# KiCad board kintsugi_v2.kicad_pcb (continued)
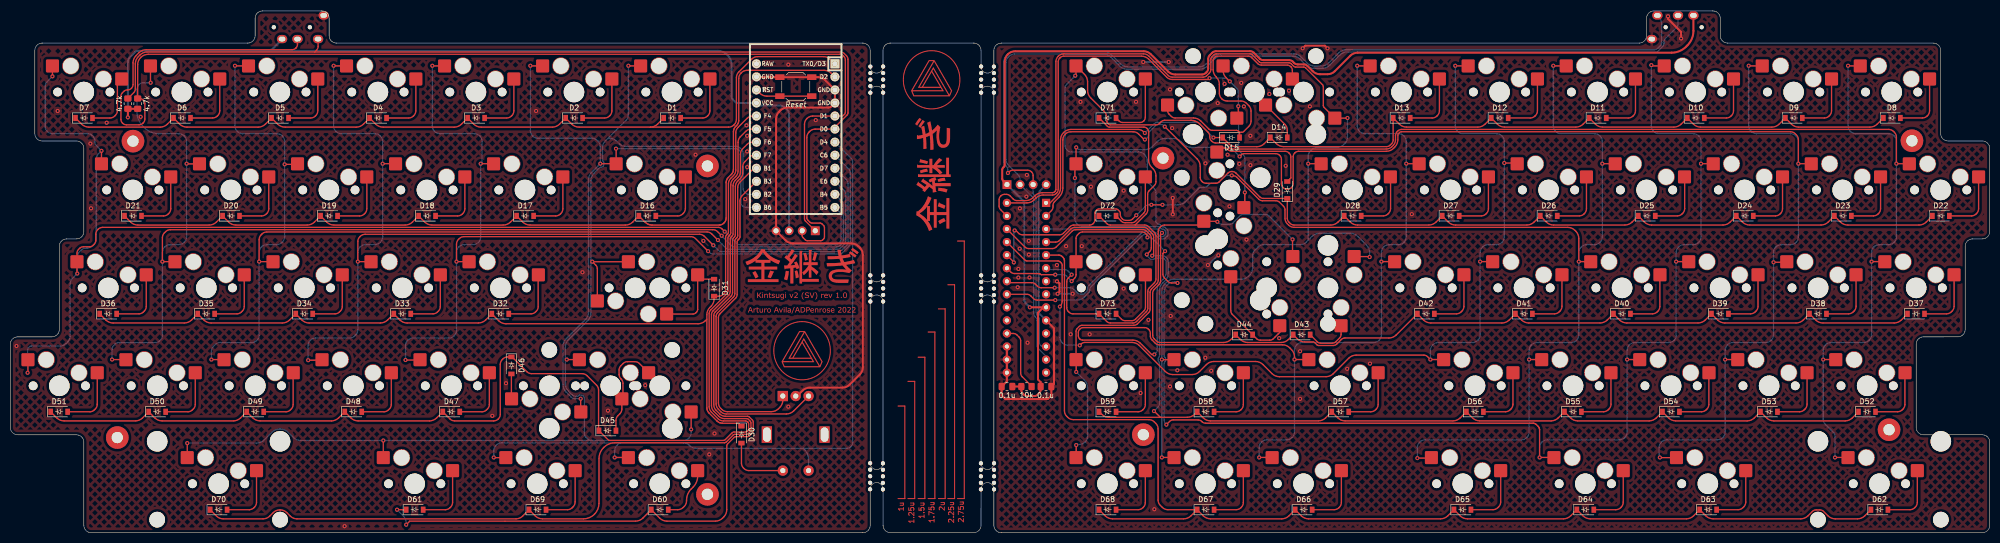
[diagram p0: board, top side]
## Routing (per net, layer and track width the routed paths; a pad name or vN(x,y) marks a point on that pad's centre or on a via; arc(x,y) is an arc through that point) (continued)
COL15: length 200.4
  Top w0.25: v1(207.13,17.05) 207.13,14.64 MX71.1 ; v1(207.13,31.28) 207.13,33.63 MX62.1 207.1,39.21 arc(207.16,39.48) 207.31,39.71 207.75,40.15 arc(207.98,40.3) 208.24,40.35 218.34,40.35 arc(218.72,40.43) 219.04,40.65 221.2,42.81 arc(221.42,43.13) 221.49,43.51 221.49,46.75 arc(221.57,47.13) 221.79,47.46 222.78,48.45 arc(223,48.78) 223.08,49.16 223.08,58.65 arc(223.15,59.03) 223.37,59.36 223.57,59.56 arc(223.9,59.78) 224.28,59.85 231.2,59.85 MX30.1 234.47,60.58 v1(234.57,60.49) ; v1(249.17,57.06) 249.17,53.79 MX45.1 ; U2.28 197.53,64.16 arc(198.3,64.31) 198.95,64.75 199.31,65.11 arc(199.96,65.54) 200.72,65.7 202.53,65.7 arc(202.91,65.77) 203.24,65.99 203.34,66.1 arc(203.56,66.42) 203.64,66.8 203.64,91.63 arc(203.71,92.01) 203.93,92.34 204.01,92.42 arc(204.33,92.63) 204.72,92.71 219.81,92.71 arc(220.57,92.56) 221.22,92.12 224.73,88.61 arc(225.21,88.29) 225.79,88.17 232.79,88.17 v1(233.04,88.43) ; v1(238.63,82.97) 238.63,80.94 MX15.1 ; v1(239.9,66.2) 239.9,63.44 MX46.1 ; MX16.1 235.68,89.92 arc(235.83,89.16) 236.26,88.51 v1(236.98,87.79)
  Bottom w0.25: 239.24,61.91 239.61,62.28 arc(239.82,62.6) 239.9,62.98 v1(239.9,66.2) 239.9,72.78 arc(239.82,73.17) 239.61,73.49 238.99,74.11 arc(238.77,74.43) 238.7,74.81 238.7,82.9 v1(238.63,82.97) 238.63,85.75 arc(238.55,86.13) 238.34,86.45 237,87.79 v1(236.98,87.79) 236.64,88.14 arc(236.31,88.35) 235.93,88.43 v1(233.04,88.43) ; 239.24,61.91 243.91,61.91 arc(244.29,61.83) 244.61,61.62 v1(249.17,57.06) ; 239.24,61.91 237.6,60.27 arc(237.28,60.06) 236.9,59.98 235.49,59.98 arc(235.11,60.06) 234.78,60.27 v1(234.57,60.49) ; v1(207.13,17.05) 207.26,17.18 207.78,17.18 arc(208.36,17.3) 208.84,17.62 208.9,17.68 arc(209.23,18.17) 209.34,18.74 209.34,28.26 arc(209.19,29.02) 208.76,29.67 207.15,31.28 v1(207.13,31.28)
ENCA: length 61.5
  Top w0.25: U1.15 142.24,65.6 arc(141.91,65.11) 141.8,64.53 141.8,57.56 arc(141.76,57.37) 141.65,57.2 141.4,56.95 arc(141.29,56.78) 141.25,56.59 141.25,46.35 arc(141.17,45.97) 140.96,45.64 137.9,42.58 arc(137.68,42.26) 137.61,41.88 137.61,25.26 arc(137.72,24.69) 138.04,24.2 138.26,23.99 arc(138.74,23.66) 139.32,23.55 147.88,23.55 arc(148.64,23.7) 149.29,24.13 149.54,24.38 arc(149.97,25.03) 150.12,25.79 SW1.A
ENCB: length 69.6
  Top w0.25: U1.16 144.5,70.9 141.79,68.19 arc(141.46,67.71) 141.35,67.13 141.35,57.74 arc(141.31,57.55) 141.2,57.39 140.95,57.13 arc(140.84,56.97) 140.8,56.78 140.8,46.53 arc(140.72,46.15) 140.51,45.83 137.45,42.77 arc(137.23,42.44) 137.16,42.06 137.16,25.07 arc(137.27,24.5) 137.6,24.01 138.07,23.54 arc(138.56,23.21) 139.13,23.1 150.81,23.1 arc(151.57,23.25) 152.22,23.68 SW1.B
RE: length 12.7
  Top w0.25: SW1.S2 143.52,12.09 arc(143.02,12.19) 142.6,12.47 142.46,12.61 arc(142.18,13.03) 142.08,13.53 D30.2
RESET: length 11.2
  Top w0.25: SW2.2 SW2.2 147.05,84.92 arc(146.28,85.08) 145.63,85.51 U1.22
ROW0: length 169.4
  Top w0.25: U1.1 159.43,92.03 arc(158.78,92.46) 158.02,92.62 145.18,92.62 arc(144.61,92.5) 144.12,92.18 141.54,89.6 arc(141.22,89.12) 141.1,88.54 141.1,80.43 arc(140.99,79.86) 140.67,79.37 140.63,79.34 arc(140.15,79.01) 139.57,78.9 124.36,78.9 ; 124.36,78.9 110.53,78.9 arc(109.76,79.05) 109.11,79.49 D2.1 106.73,79.49 arc(106.08,79.05) 105.31,78.9 91.48,78.9 arc(90.71,79.05) 90.06,79.49 D3.1 87.68,79.49 arc(87.03,79.05) 86.26,78.9 72.43,78.9 arc(71.66,79.05) 71.01,79.49 D4.1 68.63,79.49 arc(67.98,79.05) 67.21,78.9 53.38,78.9 arc(52.61,79.05) 51.96,79.49 D5.1 49.58,79.49 arc(48.93,79.05) 48.16,78.9 34.33,78.9 arc(33.56,79.05) 32.91,79.49 D6.1 30.53,79.49 arc(29.88,79.05) 29.11,78.9 15.28,78.9 arc(14.51,79.05) 13.86,79.49 D7.1 ; 124.36,78.9 arc(125.13,79.05) 125.78,79.49 D1.1
ROW1: length 172.8
  Top w0.25: D21.1 23.39,60.44 arc(24.04,60) 24.8,59.85 38.64,59.85 arc(39.4,60) 40.05,60.44 D20.1 42.44,60.44 arc(43.09,60) 43.85,59.85 57.69,59.85 arc(58.45,60) 59.1,60.44 D19.1 61.49,60.44 arc(62.14,60) 62.9,59.85 76.74,59.85 arc(77.5,60) 78.15,60.44 D18.1 80.54,60.44 arc(81.19,60) 81.95,59.85 95.79,59.85 arc(96.55,60) 97.2,60.44 D17.1 99.59,60.44 arc(100.24,60) 101,59.85 119.54,59.85 arc(120.3,60) 120.95,60.44 D16.1 123.34,60.44 123.43,60.35 123.64,60.19 123.87,60.05 124.11,59.95 124.36,59.89 124.62,59.85 124.75,59.85 137.73,59.85 137.84,59.85 138.04,59.88 138.23,59.95 138.41,60.04 138.58,60.16 138.65,60.23 138.72,60.3 138.79,60.37 138.91,60.54 139.01,60.72 139.07,60.92 139.1,61.12 139.1,61.22 139.1,68.06 139.1,68.18 139.14,68.42 139.21,68.64 139.32,68.85 139.46,69.04 139.54,69.13 140.09,69.67 140.17,69.75 140.31,69.95 140.41,70.16 140.49,70.38 140.52,70.61 140.53,70.73 140.53,77.98 140.53,78.1 140.57,78.33 140.64,78.55 140.75,78.76 140.88,78.95 140.97,79.04 141.11,79.19 141.2,79.27 141.34,79.46 141.44,79.67 141.52,79.9 141.55,80.13 141.55,80.25 141.55,88.35 arc(141.67,88.93) 141.99,89.42 142.09,89.51 arc(142.57,89.84) 143.15,89.95 143.48,89.95 158.14,89.95 arc(158.91,89.8) 159.56,89.36 U1.2
ROW2: length 194.4
  Top w0.25: U1.20 144.24,81.06 arc(143.67,80.95) 143.18,80.62 141.42,78.85 arc(141.09,78.36) 140.98,77.79 140.98,70.54 arc(140.86,69.97) 140.54,69.48 139.99,68.94 arc(139.67,68.45) 139.55,67.88 139.55,58.49 arc(139.51,58.3) 139.41,58.13 139.15,57.88 arc(139.04,57.71) 139,57.52 139,47.28 arc(138.93,46.9) 138.71,46.57 138.44,46.3 arc(138.11,46.08) 137.73,46.01 136.78,46.01 D31.1 136.76,45.47 arc(136.61,44.7) 136.18,44.05 135.94,43.82 arc(135.51,43.17) 135.36,42.4 135.36,24.33 135.36,24.21 135.4,23.98 135.47,23.76 135.58,23.55 135.72,23.35 135.8,23.27 137.33,21.74 137.41,21.66 137.6,21.52 137.81,21.41 138.04,21.34 138.27,21.3 138.39,21.3 141.31,21.3 141.37,21.3 141.5,21.27 141.61,21.2 141.66,21.15 D30.1 ; D36.1 18.56,41.39 arc(19.21,40.95) 19.98,40.8 33.81,40.8 arc(34.58,40.95) 35.23,41.39 D35.1 37.61,41.39 arc(38.26,40.95) 39.03,40.8 52.86,40.8 arc(53.63,40.95) 54.28,41.39 D34.1 56.66,41.39 arc(57.31,40.95) 58.08,40.8 71.91,40.8 arc(72.68,40.95) 73.33,41.39 D33.1 75.71,41.39 arc(76.36,40.95) 77.13,40.8 90.96,40.8 arc(91.73,40.95) 92.38,41.39 D32.1 94.91,41.23 arc(95.56,40.8) 96.33,40.65 133.65,40.65 arc(134.41,40.8) 135.06,41.23 135.36,41.53
ROW3: length 233.9
  Top w0.25: D51.1 9.04,22.34 arc(9.69,21.9) 10.45,21.75 24.29,21.75 arc(25.05,21.9) 25.7,22.34 D50.1 28.09,22.34 arc(28.74,21.9) 29.5,21.75 43.34,21.75 arc(44.1,21.9) 44.75,22.34 D49.1 47.14,22.34 arc(47.79,21.9) 48.55,21.75 62.39,21.75 arc(63.15,21.9) 63.8,22.34 D48.1 66.19,22.34 arc(66.84,21.9) 67.6,21.75 81.44,21.75 arc(82.2,21.9) 82.85,22.34 D47.1 85.44,22.13 arc(85.86,21.85) 86.36,21.75 93.92,21.75 arc(94.42,21.85) 94.84,22.13 arc(95.12,22.55) 95.22,23.05 95.22,32.77 arc(95.32,33.27) 95.6,33.69 95.73,33.81 arc(96.15,34.1) 96.65,34.2 D46.1 97.51,34.2 100.38,31.33 arc(100.8,31.04) 101.3,30.95 111.14,30.95 arc(111.64,30.85) 112.06,30.56 113.93,28.69 arc(114.21,28.27) 114.31,27.77 114.31,19.93 D45.1 116.29,17.95 138.59,17.95 arc(138.78,17.99) 138.94,18.1 140.28,19.45 arc(140.45,19.55) 140.64,19.59 142.89,19.59 arc(143.08,19.63) 143.24,19.74 143.33,19.83 arc(143.44,19.99) 143.48,20.18 143.48,21.16 arc(143.44,21.35) 143.33,21.52 143.24,21.6 arc(143.08,21.71) 142.89,21.75 138.57,21.75 arc(138,21.86) 137.51,22.19 136.25,23.46 arc(135.92,23.94) 135.81,24.52 135.81,42.62 arc(135.88,43) 136.1,43.33 139.16,46.39 arc(139.38,46.71) 139.45,47.09 139.45,57.34 arc(139.49,57.53) 139.6,57.69 139.86,57.95 arc(139.96,58.11) 140,58.3 140,67.69 arc(140.12,68.27) 140.44,68.75 140.99,69.3 arc(141.31,69.78) 141.43,70.36 141.43,75.97 arc(141.54,76.55) 141.86,77.03 142.91,78.08 arc(143.4,78.41) 143.97,78.52 U1.19
ROW4: length 153.1
  Top w0.25: U1.17 144.61,73.44 arc(144.03,73.33) 143.55,73 142.76,72.22 arc(142.44,71.73) 142.32,71.16 142.32,69.99 arc(142.21,69.41) 141.89,68.93 141.34,68.38 arc(141.02,67.89) 140.9,67.32 140.9,57.93 arc(140.86,57.74) 140.75,57.58 140.5,57.32 arc(140.39,57.16) 140.35,56.96 140.35,46.72 arc(140.27,46.34) 140.06,46.01 137,42.95 arc(136.78,42.63) 136.71,42.25 136.71,24.89 arc(136.82,24.31) 137.15,23.83 137.88,23.09 arc(138.37,22.76) 138.95,22.65 143.26,22.65 arc(143.45,22.61) 143.62,22.5 144.23,21.89 arc(144.34,21.73) 144.38,21.53 144.38,19.81 arc(144.34,19.62) 144.23,19.45 143.62,18.84 arc(143.45,18.73) 143.26,18.69 141.01,18.69 arc(140.82,18.65) 140.66,18.55 139.37,17.26 arc(139.26,17.1) 139.23,16.91 139.23,4.48 arc(139.07,3.72) 138.64,3.07 138.41,2.84 arc(137.76,2.4) 136.99,2.25 127.61,2.25 arc(126.85,2.4) 126.2,2.84 D60.1 122.92,2.84 arc(122.27,2.4) 121.5,2.25 77.62,2.25 v1(76.93,1.56) ; v1(75.15,4.48) D61.1
  Bottom w0.25: v1(76.93,1.56) 76.93,1.87 arc(76.78,2.64) 76.35,3.29 v1(75.15,4.48)
ROW5: length 187.5
  Top w0.25: U1.18 144.23,75.98 arc(143.65,75.87) 143.17,75.54 142.31,74.69 arc(141.99,74.2) 141.88,73.63 141.88,70.17 arc(141.76,69.6) 141.44,69.11 140.89,68.57 arc(140.57,68.08) 140.45,67.51 140.45,58.12 arc(140.41,57.92) 140.3,57.76 140.05,57.5 arc(139.94,57.34) 139.9,57.15 139.9,46.91 arc(139.83,46.52) 139.61,46.2 136.55,43.14 arc(136.33,42.82) 136.26,42.43 136.26,24.7 arc(136.37,24.13) 136.7,23.64 137.7,22.64 arc(138.19,22.31) 138.76,22.2 143.08,22.2 arc(143.27,22.16) 143.43,22.05 143.78,21.7 arc(143.89,21.54) 143.93,21.35 143.93,19.99 arc(143.89,19.8) 143.78,19.64 143.43,19.29 arc(143.27,19.18) 143.08,19.14 140.82,19.14 arc(140.63,19.1) 140.47,19 139.13,17.65 arc(138.96,17.54) 138.77,17.5 117.49,17.5 arc(116.34,17.28) 115.37,16.63 115.27,16.53 arc(114.62,15.56) 114.4,14.41 114.4,5.72 arc(114.17,4.57) 113.52,3.6 113.5,3.58 arc(112.52,2.93) 111.38,2.7 103.41,2.7 arc(102.65,2.85) 102,3.29 D69.1 99.56,3.23 arc(98.97,2.84) 98.28,2.7 55.69,2.7 arc(55,2.84) 54.42,3.23 53.73,3.91 arc(53.15,4.3) 52.46,4.44 52.37,4.44 arc(51.68,4.3) 51.09,3.91 50.41,3.23 arc(49.82,2.84) 49.13,2.7 41.36,2.7 arc(40.67,2.84) 40.08,3.23 D70.1
ROW6: length 190.5
  Top w0.25: v1(220.47,77.76) 220.21,78.01 arc(219.73,78.34) 219.15,78.45 206.12,78.45 arc(205.35,78.3) 204.7,77.87 204.67,77.84 arc(204.24,77.19) 204.09,76.42 204.09,67.03 arc(203.93,66.27) 203.5,65.62 202.04,64.16 U2.1 ; D8.1 362.79,79.49 arc(362.14,79.06) 361.37,78.9 347.54,78.9 arc(346.77,79.06) 346.12,79.49 D9.1 343.74,79.49 arc(343.09,79.06) 342.32,78.9 328.49,78.9 arc(327.72,79.06) 327.07,79.49 D10.1 324.69,79.49 arc(324.04,79.06) 323.27,78.9 309.44,78.9 arc(308.67,79.06) 308.02,79.49 D11.1 305.64,79.49 arc(304.99,79.06) 304.22,78.9 290.39,78.9 arc(289.62,79.06) 288.97,79.49 D12.1 286.59,79.49 arc(285.94,79.06) 285.17,78.9 271.34,78.9 arc(270.57,79.06) 269.92,79.49 D13.1 268.73,76.4 arc(268.65,76.01) 268.44,75.69 268.15,75.4 arc(267.82,75.18) 267.44,75.11 247.45,75.11 arc(246.68,75.26) 246.03,75.69 D14.1 243.66,75.68 arc(243.01,75.25) 242.25,75.09 238.19,75.09 arc(237.42,75.25) 236.77,75.68 D15.1 v1(233.8,76.87)
  Bottom w0.25: v1(220.47,77.76) 222.26,79.55 arc(222.58,79.77) 222.97,79.84 230.42,79.84 arc(230.8,79.77) 231.12,79.55 v1(233.8,76.87)
ROW7: length 210.5
  Top w0.25: D22.1 372.31,60.44 arc(371.66,60.01) 370.9,59.85 357.06,59.85 arc(356.3,60.01) 355.65,60.44 D23.1 353.26,60.44 arc(352.61,60.01) 351.85,59.85 338.01,59.85 arc(337.25,60.01) 336.6,60.44 D24.1 334.21,60.44 arc(333.56,60.01) 332.8,59.85 318.96,59.85 arc(318.2,60.01) 317.55,60.44 D25.1 315.16,60.44 arc(314.51,60.01) 313.75,59.85 299.91,59.85 arc(299.15,60.01) 298.5,60.44 D26.1 296.11,60.44 arc(295.46,60.01) 294.7,59.85 280.86,59.85 arc(280.1,60.01) 279.45,60.44 D27.1 277.06,60.44 arc(276.41,60.01) 275.65,59.85 261.81,59.85 arc(261.05,60.01) 260.4,60.44 D28.1 258.01,60.44 arc(257.36,60.01) 256.6,59.85 249.46,59.85 arc(249.08,59.93) 248.75,60.15 248.45,60.45 arc(248.23,60.77) 248.15,61.16 D29.1 243.52,65.03 arc(243.14,65.11) 242.81,65.32 238.16,69.97 arc(237.84,70.19) 237.45,70.27 237.35,70.27 arc(236.96,70.19) 236.64,69.97 234.94,68.27 arc(234.62,68.06) 234.23,67.98 232.34,67.98 arc(231.96,68.06) 231.64,68.27 231.52,68.39 arc(231.31,68.71) 231.23,69.09 231.23,71.28 arc(231.08,72.05) 230.65,72.7 v1(224.35,79) ; U2.2 202.34,62.68 arc(202.55,63) 202.63,63.38 202.63,63.7 arc(202.71,64.08) 202.92,64.4 203.8,65.28 arc(204.34,66.1) 204.54,67.05 204.54,76.44 arc(204.65,77.02) 204.97,77.51 205.03,77.56 arc(205.52,77.89) 206.09,78 218.2,78 arc(218.77,77.89) 219.26,77.56 220.33,76.49 v1(220.47,76.49)
  Bottom w0.25: v1(220.47,76.49) 220.6,76.49 221.05,76.94 arc(221.16,77.1) 221.19,77.29 221.19,77.64 arc(221.23,77.83) 221.34,78 222.59,79.25 arc(222.75,79.36) 222.94,79.39 223.74,79.39 arc(223.93,79.36) 224.1,79.25 v1(224.35,79)
ROW8: length 202.1
  Top w0.25: v1(223.8,58.33) 223.53,58.05 223.53,48.97 arc(223.45,48.59) 223.23,48.27 222.29,47.32 arc(222.07,46.99) 221.99,46.61 221.99,38.42 arc(222.07,38.04) 222.29,37.72 222.7,37.3 arc(223.03,37.08) 223.41,37.01 235.78,37.01 arc(236.55,37.16) 237.2,37.59 D44.1 239.05,37.59 arc(239.7,37.16) 240.46,37.01 246.96,37.01 arc(247.72,37.16) 248.37,37.59 D43.1 250.11,37.71 arc(250.76,37.27) 251.52,37.12 253.15,37.12 arc(253.34,37.08) 253.51,36.97 253.92,36.56 arc(254.08,36.45) 254.27,36.42 257.07,36.42 arc(257.45,36.49) 257.78,36.71 258.66,37.59 arc(258.98,37.81) 259.36,37.88 267.9,37.88 arc(268.67,38.03) 269.32,38.47 D42.1 274.62,41.39 arc(275.27,40.96) 276.04,40.8 289.87,40.8 arc(290.64,40.96) 291.29,41.39 D41.1 293.67,41.39 arc(294.32,40.96) 295.09,40.8 308.92,40.8 arc(309.69,40.96) 310.34,41.39 D40.1 312.72,41.39 arc(313.37,40.96) 314.14,40.8 327.97,40.8 arc(328.74,40.96) 329.39,41.39 D39.1 331.77,41.39 arc(332.42,40.96) 333.19,40.8 347.02,40.8 arc(347.79,40.96) 348.44,41.39 D38.1 350.82,41.39 arc(351.47,40.96) 352.24,40.8 366.07,40.8 arc(366.84,40.96) 367.49,41.39 D37.1
  Bottom w0.25: v1(223.8,58.33) 223.14,58.99 arc(223.04,59.06) 222.93,59.08 U2.3
ROW9: length 218.4
  Top w0.25: U2.4 203.15,56.54 arc(203.54,56.62) 203.86,56.83 206.14,59.11 arc(206.46,59.33) 206.84,59.4 220.28,59.4 arc(220.66,59.33) 220.98,59.11 221.89,58.21 arc(222.1,57.89) 222.18,57.5 222.18,54.16 v1(221.9,53.88) ; 223.48,22.45 213.52,22.45 arc(212.75,22.6) 212.1,23.04 211.61,23.53 D59.1 ; 223.48,22.45 222.28,23.66 v1(222.25,23.66) ; 223.48,22.45 228.72,22.45 arc(229.49,22.6) 230.14,23.04 D58.1 231.82,22.34 arc(232.47,21.91) 233.24,21.75 254.19,21.75 arc(254.95,21.91) 255.6,22.34 D57.1 257.98,22.34 arc(258.63,21.91) 259.4,21.75 280.35,21.75 arc(281.11,21.91) 281.76,22.34 D56.1 284.15,22.34 arc(284.79,21.91) 285.56,21.75 299.4,21.75 arc(300.16,21.91) 300.81,22.34 D55.1 303.2,22.34 arc(303.84,21.91) 304.61,21.75 318.45,21.75 arc(319.21,21.91) 319.86,22.34 D54.1 322.25,22.34 arc(322.89,21.91) 323.66,21.75 337.5,21.75 arc(338.26,21.91) 338.91,22.34 D53.1 341.3,22.34 arc(341.94,21.91) 342.71,21.75 356.55,21.75 arc(357.31,21.91) 357.96,22.34 D52.1
  Bottom w0.25: v1(221.9,53.88) 223.86,53.88 arc(224.25,53.81) 224.57,53.59 224.75,53.42 arc(224.96,53.09) 225.04,52.71 225.04,50.52 arc(224.89,49.76) 224.45,49.11 223.91,48.56 arc(223.47,47.91) 223.32,47.15 223.32,34.43 arc(223.29,34.28) 223.2,34.15 223.16,34.11 arc(223.08,33.98) 223.05,33.83 223.05,33.56 arc(223.08,33.4) 223.16,33.27 223.2,33.23 arc(223.29,33.1) 223.32,32.95 223.32,25.15 arc(223.24,24.76) 223.03,24.44 v1(222.25,23.66)
ROW10: length 234.9
  Top w0.25: D67.1 231.82,3.29 arc(232.47,2.86) 233.24,2.7 247.07,2.7 arc(247.84,2.86) 248.49,3.29 D66.1 250.87,3.29 arc(251.52,2.86) 252.29,2.7 277.93,2.7 arc(278.7,2.86) 279.35,3.29 D65.1 281.73,3.29 arc(282.38,2.86) 283.15,2.7 301.81,2.7 arc(302.58,2.86) 303.22,3.29 D64.1 305.61,3.29 arc(306.26,2.86) 307.02,2.7 325.69,2.7 arc(326.45,2.86) 327.1,3.29 D63.1 329.48,3.29 arc(330.13,2.86) 330.9,2.7 347.92,2.7 arc(348.69,2.86) 349.34,3.29 350.2,4.15 arc(350.52,4.37) 350.91,4.44 351.65,4.44 arc(352.03,4.37) 352.36,4.15 353.22,3.29 arc(353.87,2.86) 354.63,2.7 358.96,2.7 arc(359.73,2.86) 360.37,3.29 D62.1 ; D67.1 224.93,4.48 arc(224.36,4.6) 223.87,4.92 223.49,5.31 arc(223.16,5.8) 223.05,6.37 223.05,20.2 arc(222.93,20.78) 222.61,21.26 222.31,21.56 arc(221.82,21.89) 221.25,22 206.56,22 arc(205.98,22.12) 205.5,22.44 205.29,22.65 arc(204.96,23.14) 204.85,23.71 204.85,52.87 204.85,52.97 204.81,53.16 204.73,53.34 204.62,53.5 204.55,53.57 204.42,53.71 204.35,53.78 204.19,53.89 204,53.96 203.81,54 203.71,54 U2.5 ; D67.1 229.44,3.29 arc(228.79,2.86) 228.02,2.7 214.19,2.7 arc(213.42,2.86) 212.77,3.29 D68.1
ROW11: length 89
  Top w0.25: 218.56,59.85 220.46,59.85 arc(220.85,59.78) 221.17,59.56 222.33,58.4 arc(222.55,58.07) 222.63,57.69 222.63,49.35 arc(222.55,48.96) 222.33,48.64 221.34,47.64 arc(221.12,47.32) 221.05,46.93 221.05,43.7 arc(220.97,43.32) 220.75,42.99 218.86,41.1 arc(218.53,40.88) 218.15,40.8 213.77,40.8 arc(213.39,40.88) 213.06,41.1 D73.1 206.47,42.58 arc(206.09,42.66) 205.77,42.87 205.59,43.05 arc(205.37,43.37) 205.3,43.76 205.3,48.84 arc(205.37,49.22) 205.59,49.55 v1(206.24,50.2) ; 218.56,59.85 220.72,62.01 arc(220.94,62.33) 221.01,62.72 221.01,65.83 arc(221.09,66.21) 221.31,66.53 222.33,67.56 arc(222.55,67.89) 222.63,68.27 222.63,69.42 arc(222.48,70.19) 222.04,70.84 221.78,71.1 arc(221.35,71.74) 221.2,72.51 221.2,78 arc(221.14,78.31) 220.96,78.57 220.86,78.67 arc(220.6,78.84) 220.3,78.9 213.56,78.9 arc(213.37,78.94) 213.21,79.05 D71.1 ; 218.56,59.85 213.77,59.85 arc(213.39,59.93) 213.06,60.15 D72.1
  Bottom w0.25: U2.6 201.56,51.18 204.85,51.18 arc(205.23,51.11) 205.56,50.89 v1(206.24,50.2)
SCL0: length 199.5
  Top w0.25: 59.16,93.52 26.6,93.52 arc(25.84,93.36) 25.19,92.93 24.89,92.63 arc(24.45,91.98) 24.3,91.21 24.3,86.34 arc(24.22,85.96) 24.01,85.64 R2.2 ; 59.16,93.52 59.52,93.88 arc(59.73,94.2) 59.81,94.58 J3.T ; 59.16,93.52 161.34,93.52 arc(161.73,93.44) 162.05,93.22 162.49,92.78 arc(162.71,92.46) 162.78,92.08 162.78,81.65 arc(162.75,81.46) 162.64,81.29 160.24,78.9 U1.6 156.42,78.52 arc(155.85,78.41) 155.36,78.08 155.22,77.94 arc(154.9,77.46) 154.78,76.88 154.78,61.22 arc(154.82,61.03) 154.93,60.87 155.42,60.38 arc(155.58,60.27) 155.77,60.23 157.37,60.23 arc(157.56,60.19) 157.72,60.09 158.06,59.74 arc(158.17,59.58) 158.21,59.39 158.21,57.52 arc(158.17,57.33) 158.06,57.16 157.85,56.95 arc(157.69,56.84) 157.5,56.8 154.86,56.8 arc(154.67,56.84) 154.51,56.95 154.03,57.43 arc(153.92,57.59) 153.88,57.78 J1.2
SCL1: length 201.2
  Top w0.25: J2.3 198.76,69.46 arc(198.69,69.84) 198.47,70.17 198.41,70.23 arc(198.09,70.45) 197.7,70.52 194.82,70.52 arc(194.44,70.45) 194.12,70.23 v1(193.87,69.98)
  Bottom w0.25: J2.3 198.76,66.03 arc(198.8,65.84) 198.91,65.68 199.18,65.4 arc(199.29,65.24) 199.33,65.05 199.33,42.94 arc(199.4,42.56) 199.62,42.23 199.67,42.19 arc(199.89,41.86) 199.96,41.48 199.96,37.12 arc(200.04,36.74) 200.26,36.41 200.36,36.31 arc(200.46,36.24) 200.57,36.22 U2.12 ; J4.T 320.32,100.39 arc(320.75,99.74) 320.9,98.98 320.9,95.42 arc(320.83,95.04) 320.61,94.72 320.14,94.25 arc(319.82,94.03) 319.44,93.96 259.59,93.96 arc(258.83,93.81) 258.18,93.37 256.17,91.37 arc(255.53,90.94) 254.76,90.78 253.45,90.78 arc(252.68,90.94) 252.03,91.37 250.83,92.57 arc(250.18,93.01) 249.41,93.16 235.17,93.16 arc(234.4,93.01) 233.76,92.57 232.39,91.2 arc(231.74,90.77) 230.97,90.62 217.2,90.62 arc(216.44,90.77) 215.79,91.2 214,92.99 arc(213.35,93.42) 212.59,93.58 194.97,93.58 arc(194.4,93.46) 193.91,93.14 193.48,92.7 arc(193.15,92.22) 193.04,91.64 193.04,72.21 arc(193.11,71.82) 193.33,71.5 193.57,71.25 arc(193.79,70.93) 193.87,70.55 v1(193.87,69.98)
SDA0: length 244.9
  Top w0.25: J1.1 154.48,60.68 arc(154.37,60.85) 154.33,61.04 154.33,79.48 arc(154.45,80.05) 154.77,80.54 154.85,80.62 arc(155.34,80.95) 155.91,81.06 U1.5 160.27,81.03 161.53,81.03 arc(161.72,81.07) 161.88,81.17 162.13,81.42 arc(162.24,81.58) 162.28,81.77 162.28,91.95 arc(162.2,92.33) 161.98,92.66 161.86,92.77 arc(161.54,92.99) 161.16,93.07 26.79,93.07 arc(26.02,92.91) 25.38,92.48 25.34,92.44 arc(24.9,91.79) 24.75,91.03 R3.1 25.11,84.47 arc(25.5,84.4) 25.82,84.18 25.85,84.15 arc(26.07,83.82) 26.15,83.44 26.15,80.46 arc(26.07,80.08) 25.85,79.75 25.75,79.64 arc(25.42,79.43) 25.04,79.35 22.56,79.35 arc(22.17,79.43) 21.85,79.64 21.79,79.7 arc(21.58,80.02) 21.5,80.41 21.5,84.89 arc(21.58,85.27) 21.79,85.6 22.04,85.85 arc(22.37,86.06) 22.75,86.14 22.81,86.14 arc(23.19,86.22) 23.52,86.43 23.56,86.47 arc(23.77,86.8) 23.85,87.18 23.85,91.4 arc(24,92.16) 24.44,92.81 25,93.38 arc(25.65,93.81) 26.42,93.97 54.77,93.97 arc(55.15,94.04) 55.47,94.26 55.52,94.3 arc(55.73,94.62) 55.81,95.01 J3.R1
SDA1: length 200.7
  Bottom w0.25: J4.R1 324.08,99 arc(324,98.62) 323.78,98.3 321.65,96.16 arc(321.43,95.83) 321.35,95.45 321.35,95.14 arc(321.26,94.81) 321.06,94.53 320.33,93.8 arc(320.01,93.58) 319.62,93.51 259.78,93.51 arc(259.01,93.36) 258.36,92.92 256.36,90.92 arc(255.71,90.49) 254.95,90.33 253.26,90.33 arc(252.49,90.49) 251.85,90.92 250.64,92.12 arc(249.99,92.56) 249.23,92.71 235.36,92.71 arc(234.59,92.56) 233.94,92.12 232.57,90.75 arc(231.92,90.32) 231.16,90.17 217.02,90.17 arc(216.25,90.32) 215.6,90.75 213.82,92.54 arc(213.17,92.98) 212.4,93.13 195.16,93.13 arc(194.58,93.01) 194.1,92.69 193.92,92.52 arc(193.6,92.03) 193.49,91.46 193.49,72.6 arc(193.6,72.02) 193.92,71.54 195.78,69.68 arc(196.11,69.19) 196.22,68.62 J2.2 198.59,65.36 arc(198.8,65.04) 198.88,64.66 198.88,42.75 arc(198.95,42.37) 199.17,42.05 199.22,42 arc(199.44,41.67) 199.51,41.29 199.51,36.52 arc(199.59,36.14) 199.81,35.81 201.28,34.34 U2.13
Net-(D1-Pad2): length 12.7
  Top w0.25: D1.2 134.56,80.68 arc(135.06,80.78) 135.48,81.06 135.57,81.16 arc(135.86,81.58) 135.95,82.07 MX1.2
Net-(D2-Pad2): length 12.7
  Top w0.25: MX2.2 116.9,82.07 arc(116.81,81.58) 116.52,81.16 116.43,81.06 arc(116.01,80.78) 115.51,80.68 D2.2
Net-(D3-Pad2): length 12.7
  Top w0.25: D3.2 96.46,80.68 arc(96.96,80.78) 97.38,81.06 97.47,81.16 arc(97.76,81.58) 97.85,82.07 MX3.2
Net-(D4-Pad2): length 12.7
  Top w0.25: MX4.2 78.8,82.07 arc(78.71,81.58) 78.42,81.16 78.33,81.06 arc(77.91,80.78) 77.41,80.68 D4.2
Net-(D5-Pad2): length 12.7
  Top w0.25: MX5.2 59.75,82.07 arc(59.66,81.58) 59.37,81.16 59.28,81.06 arc(58.86,80.78) 58.36,80.68 D5.2
Net-(D6-Pad2): length 12.7
  Top w0.25: D6.2 39.31,80.68 arc(39.81,80.78) 40.23,81.06 40.32,81.16 arc(40.61,81.58) 40.7,82.07 MX6.2
Net-(D7-Pad2): length 12.1
  Top w0.25: D7.2 19.37,80.68 arc(19.87,80.78) 20.29,81.06 20.43,81.2 arc(20.71,81.62) 20.81,82.12 20.81,86.89 arc(20.91,87.38) 21.19,87.81 MX7.2
Net-(D8-Pad2): length 12.7
  Top w0.25: D8.2 371.57,80.68 arc(372.07,80.78) 372.49,81.06 372.58,81.16 arc(372.86,81.58) 372.96,82.08 MX8.2
Net-(D9-Pad2): length 12.7
  Top w0.25: MX9.2 353.91,82.08 arc(353.81,81.58) 353.53,81.16 353.44,81.06 arc(353.02,80.78) 352.52,80.68 D9.2
Net-(D10-Pad2): length 12.7
  Top w0.25: MX10.2 334.86,82.08 arc(334.76,81.58) 334.48,81.16 334.39,81.06 arc(333.97,80.78) 333.47,80.68 D10.2
Net-(D11-Pad2): length 12.7
  Top w0.25: 315.81,88.27 315.81,82.08 arc(315.71,81.58) 315.43,81.16 315.34,81.06 arc(314.92,80.78) 314.42,80.68 D11.2
Net-(D12-Pad2): length 12.7
  Top w0.25: D12.2 295.37,80.68 arc(295.87,80.78) 296.29,81.06 296.38,81.16 arc(296.66,81.58) 296.76,82.08 MX12.2
Net-(D13-Pad2): length 12.7
  Top w0.25: MX13.2 277.71,82.08 arc(277.61,81.58) 277.33,81.16 277.24,81.06 arc(276.82,80.78) 276.32,80.68 D13.2
Net-(D14-Pad2): length 8
  Top w0.25: D14.2 248.15,78.35 arc(248.04,78.92) 247.71,79.41 MX14.2
Net-(D15-Pad2): length 56.7
  Top w0.25: 238.88,77.89 239.31,77.89 arc(239.5,77.93) 239.67,78.03 240.67,79.04 arc(241,79.53) 241.11,80.1 241.11,82.02 arc(241,82.6) 240.67,83.08 240.21,83.54 arc(239.73,83.87) 239.15,83.98 236.46,83.98 arc(235.88,84.1) 235.4,84.42 235.39,84.43 arc(235.06,84.92) 234.95,85.49 234.95,87.22 arc(234.79,87.98) 234.36,88.63 234.33,88.66 arc(233.9,89.31) 233.74,90.08 233.74,91.97 arc(233.78,92.16) 233.89,92.33 234.13,92.57 arc(234.29,92.67) 234.48,92.71 240.54,92.71 arc(240.92,92.64) 241.24,92.42 242.4,91.26 arc(242.73,91.04) 243.11,90.97 248.12,90.97 arc(248.5,90.89) 248.83,90.68 248.85,90.66 arc(249.06,90.33) 249.14,89.95 MX16.2 ; 238.88,77.89 D15.2 ; 238.88,77.89 238.65,78.12 arc(238.49,78.23) 238.3,78.27 233.58,78.27 arc(233.2,78.34) 232.88,78.56 231.34,80.1 arc(230.69,80.53) 229.93,80.68 226.34,80.68 arc(225.96,80.76) 225.64,80.97 225.17,81.44 arc(224.96,81.76) 224.88,82.14 MX15.2
Net-(D16-Pad2): length 12.7
  Top w0.25: D16.2 129.73,61.63 arc(130.23,61.73) 130.65,62.01 130.81,62.17 arc(131.09,62.59) 131.19,63.09 MX17.2
Net-(D17-Pad2): length 12.7
  Top w0.25: D17.2 105.98,61.63 arc(106.48,61.73) 106.9,62.01 107,62.11 arc(107.28,62.53) 107.38,63.02 MX18.2
Net-(D18-Pad2): length 12.7
  Top w0.25: MX19.2 88.33,63.02 arc(88.23,62.53) 87.95,62.11 87.85,62.01 arc(87.43,61.73) 86.93,61.63 D18.2
Net-(D19-Pad2): length 12.7
  Top w0.25: D19.2 67.88,61.63 arc(68.38,61.73) 68.8,62.01 68.9,62.11 arc(69.18,62.53) 69.28,63.02 MX20.2
Net-(D20-Pad2): length 12.7
  Top w0.25: D20.2 48.83,61.63 arc(49.33,61.73) 49.75,62.01 49.85,62.11 arc(50.13,62.53) 50.23,63.02 MX21.2
Net-(D21-Pad2): length 12.7
  Top w0.25: D21.2 29.78,61.63 arc(30.28,61.73) 30.7,62.01 30.8,62.11 arc(31.08,62.53) 31.18,63.02 MX22.2
Net-(D22-Pad2): length 12.7
  Top w0.25: D22.2 381.09,61.63 arc(381.59,61.73) 382.01,62.01 382.11,62.11 arc(382.39,62.53) 382.49,63.03 MX23.2
Net-(D23-Pad2): length 12.7
  Top w0.25: D23.2 362.04,61.63 arc(362.54,61.73) 362.96,62.01 363.06,62.11 arc(363.34,62.53) 363.44,63.03 MX24.2
Net-(D24-Pad2): length 12.7
  Top w0.25: MX25.2 344.39,63.03 arc(344.29,62.53) 344.01,62.11 343.91,62.01 arc(343.49,61.73) 342.99,61.63 D24.2
Net-(D25-Pad2): length 12.7
  Top w0.25: MX26.2 325.37,69.19 325.37,63.06 arc(325.27,62.56) 324.99,62.14 324.86,62.01 arc(324.44,61.73) 323.94,61.63 D25.2
Net-(D26-Pad2): length 12.7
  Top w0.25: D26.2 304.89,61.63 arc(305.39,61.73) 305.81,62.01 305.91,62.11 arc(306.19,62.53) 306.29,63.03 MX27.2
Net-(D27-Pad2): length 12.7
  Top w0.25: D27.2 285.84,61.63 arc(286.34,61.73) 286.76,62.01 286.86,62.11 arc(287.14,62.53) 287.24,63.03 MX28.2
Net-(D28-Pad2): length 12.7
  Top w0.25: MX29.2 268.22,69.19 268.22,63.06 arc(268.12,62.56) 267.84,62.14 267.71,62.01 arc(267.29,61.73) 266.79,61.63 D28.2
Net-(D29-Pad2): length 20.6
  Top w0.25: MX30.2 235.26,74.84 235.93,74.84 arc(236.31,74.76) 236.64,74.55 236.7,74.49 arc(237.02,74.27) 237.4,74.19 247.75,74.19 arc(248.13,74.12) 248.46,73.9 248.56,73.8 arc(248.77,73.48) 248.85,73.1 248.85,69.02 D29.2
Net-(D31-Pad2): length 16.8
  Top w0.25: MX32.1 132.7,42.55 arc(132.97,42.6) 133.2,42.75 133.37,42.92 arc(133.52,43.15) 133.57,43.42 MX31.2 134.42,49.32 D31.2
Net-(D32-Pad2): length 12.7
  Top w0.25: D32.2 101.2,42.58 arc(101.66,42.67) 102.05,42.93 102.23,43.12 arc(102.49,43.51) 102.59,43.96 102.59,50.14 MX33.2
Net-(D33-Pad2): length 12.7
  Top w0.25: MX34.2 83.57,44 arc(83.48,43.54) 83.22,43.15 83,42.93 arc(82.61,42.67) 82.15,42.58 D33.2
Net-(D34-Pad2): length 12.7
  Top w0.25: D34.2 63.1,42.58 arc(63.56,42.67) 63.95,42.93 64.17,43.15 arc(64.43,43.54) 64.52,44 MX35.2
Net-(D35-Pad2): length 12.7
  Top w0.25: MX36.2 45.47,44 arc(45.38,43.54) 45.12,43.15 44.9,42.93 arc(44.51,42.67) 44.05,42.58 D35.2
Net-(D36-Pad2): length 12.7
  Top w0.25: MX37.2 26.42,44 arc(26.33,43.54) 26.07,43.15 25.85,42.93 arc(25.46,42.67) 25,42.58 D36.2
Net-(D37-Pad2): length 12.7
  Top w0.25: D37.2 376.27,42.58 arc(376.76,42.68) 377.19,42.96 377.35,43.12 arc(377.63,43.54) 377.73,44.04 MX38.2
Net-(D38-Pad2): length 12.7
  Top w0.25: MX39.2 358.68,44.04 arc(358.58,43.54) 358.3,43.12 358.14,42.96 arc(357.71,42.68) 357.22,42.58 D38.2
Net-(D39-Pad2): length 12.7
  Top w0.25: D39.2 338.17,42.58 arc(338.66,42.68) 339.09,42.96 339.25,43.12 arc(339.53,43.54) 339.63,44.04 MX40.2
Net-(D40-Pad2): length 12.7
  Top w0.25: D40.2 319.12,42.58 arc(319.61,42.68) 320.04,42.96 320.16,43.09 arc(320.45,43.51) 320.54,44.01 320.54,50.14 MX41.2
Net-(D41-Pad2): length 12.7
  Top w0.25: D41.2 300.07,42.58 arc(300.56,42.68) 300.99,42.96 301.15,43.12 arc(301.43,43.54) 301.53,44.04 MX42.2
Net-(D42-Pad2): length 12.7
  Top w0.25: MX43.2 282.48,44.04 arc(282.38,43.54) 282.1,43.12 281.94,42.96 arc(281.51,42.68) 281.02,42.58 D42.2
Net-(D43-Pad2): length 9.2
  Top w0.25: MX44.2 258.6,38.58 arc(258.52,38.2) 258.31,37.88 257.59,37.16 arc(257.27,36.94) 256.88,36.87 254.66,36.87 arc(254.28,36.94) 253.96,37.16 D43.2
Net-(D44-Pad2): length 20.5
  Top w0.25: MX45.2 246.69,38.99 246.28,38.57 246.27,38.57 245.85,38.15 245.85,38.14 245.46,37.75 arc(245.13,37.53) 244.75,37.46 242.9,37.46 arc(242.52,37.53) 242.19,37.75 D44.2 237.46,42.48 arc(237.25,42.8) 237.17,43.19 MX46.2
Net-(D45-Pad2): length 19.9
  Top w0.25: MX48.2 122.24,32.92 arc(121.85,33.18) 121.39,33.28 119.94,33.28 arc(119.48,33.18) 119.09,32.92 118.65,32.48 arc(118.39,32.09) 118.3,31.64 118.3,30.8 arc(118.39,30.34) 118.65,29.96 118.7,29.91 arc(118.96,29.52) 119.05,29.06 119.05,26.25 MX47.2 118.84,24.07 arc(118.74,23.57) 118.46,23.15 118.08,22.77 arc(117.8,22.34) 117.7,21.85 D45.2
Net-(D46-Pad2): length 4.9
  Top w0.25: MX49.2 97.38,26.07 D46.2
Net-(D47-Pad2): length 12.7
  Top w0.25: D47.2 91.67,23.53 arc(92.13,23.62) 92.52,23.88 92.74,24.1 arc(93,24.49) 93.09,24.95 MX50.2
Net-(D48-Pad2): length 12.7
  Top w0.25: D48.2 72.62,23.53 arc(73.08,23.62) 73.47,23.88 73.69,24.1 arc(73.95,24.49) 74.04,24.95 MX51.2
Net-(D49-Pad2): length 12.7
  Top w0.25: MX52.2 54.96,31.09 54.96,24.91 arc(54.87,24.46) 54.61,24.07 54.42,23.88 arc(54.03,23.62) 53.57,23.53 D49.2
Net-(D50-Pad2): length 12.7
  Top w0.25: D50.2 34.52,23.53 arc(34.98,23.62) 35.37,23.88 35.59,24.1 arc(35.85,24.49) 35.94,24.95 MX53.2
Net-(D51-Pad2): length 12.7
  Top w0.25: D51.2 15.47,23.53 arc(15.93,23.62) 16.32,23.88 16.54,24.1 arc(16.8,24.49) 16.89,24.95 MX54.2
Net-(D52-Pad2): length 12.7
  Top w0.25: D52.2 366.74,23.53 arc(367.24,23.63) 367.66,23.91 367.79,24.04 arc(368.07,24.46) 368.17,24.96 368.17,31.09 MX55.2
Net-(D53-Pad2): length 12.7
  Top w0.25: MX56.2 349.15,24.99 arc(349.05,24.49) 348.77,24.07 348.61,23.91 arc(348.19,23.63) 347.69,23.53 D53.2
Net-(D54-Pad2): length 12.7
  Top w0.25: D54.2 328.64,23.53 arc(329.14,23.63) 329.56,23.91 329.69,24.04 arc(329.97,24.46) 330.07,24.96 330.07,31.09 MX57.2
Net-(D55-Pad2): length 12.7
  Top w0.25: MX58.2 311.05,24.99 arc(310.95,24.49) 310.67,24.07 310.51,23.91 arc(310.09,23.63) 309.59,23.53 D55.2
Net-(D56-Pad2): length 12.7
  Top w0.25: D56.2 290.54,23.53 arc(291.04,23.63) 291.46,23.91 291.62,24.07 arc(291.9,24.49) 292,24.99 MX59.2
Net-(D57-Pad2): length 12.7
  Top w0.25: MX60.2 265.81,24.96 arc(265.71,24.46) 265.43,24.04 265.3,23.91 arc(264.88,23.63) 264.38,23.53 D57.2
Net-(D58-Pad2): length 12.7
  Top w0.25: D58.2 238.22,23.53 arc(238.72,23.63) 239.14,23.91 239.23,24.01 arc(239.51,24.43) 239.61,24.93 MX61.2
Net-(D59-Pad2): length 12.7
  Top w0.25: 220.56,31.12 220.56,24.93 arc(220.46,24.43) 220.18,24.01 220.09,23.91 arc(219.67,23.63) 219.17,23.53 D59.2
Net-(D60-Pad2): length 11
  Top w0.25: D60.2 129.71,4.48 arc(130.28,4.59) 130.77,4.92 130.97,5.12 arc(131.3,5.61) 131.41,6.18 131.41,6.35 arc(131.64,7.5) 132.29,8.47 132.69,8.88 arc(133.34,9.85) 133.57,11 MX63.2
Net-(D61-Pad2): length 12.7
  Top w0.25: D61.2 84.52,4.48 arc(85.02,4.58) 85.44,4.86 85.57,4.99 arc(85.85,5.41) 85.95,5.91 MX64.2
Net-(D62-Pad2): length 12.7
  Top w0.25: D62.2 369.16,4.48 arc(369.65,4.58) 370.07,4.86 370.2,4.99 arc(370.48,5.41) 370.58,5.91 MX65.2
Net-(D63-Pad2): length 12.6
  Top w0.25: MX66.2 337.25,5.97 arc(337.15,5.47) 336.86,5.05 336.67,4.86 arc(336.25,4.58) 335.75,4.48 D63.2
Net-(D64-Pad2): length 12.7
  Top w0.25: D64.2 312.01,4.48 arc(312.5,4.58) 312.92,4.86 313.05,4.99 arc(313.33,5.41) 313.43,5.91 MX67.2
Net-(D65-Pad2): length 12.7
  Top w0.25: MX68.2 289.62,5.97 arc(289.52,5.47) 289.24,5.05 289.05,4.86 arc(288.63,4.58) 288.13,4.48 D65.2
Net-(D66-Pad2): length 12.7
  Top w0.25: D66.2 257.27,4.48 arc(257.77,4.58) 258.19,4.86 258.28,4.96 arc(258.56,5.38) 258.66,5.88 MX69.2
Net-(D67-Pad2): length 12.7
  Top w0.25: MX70.2 239.61,5.88 arc(239.51,5.38) 239.23,4.96 239.14,4.86 arc(238.72,4.58) 238.22,4.48 D67.2
Net-(D68-Pad2): length 12.7
  Top w0.25: D68.2 219.17,4.48 arc(219.67,4.58) 220.09,4.86 220.18,4.96 arc(220.46,5.38) 220.56,5.88 220.56,12.07
Net-(D69-Pad2): length 12.6
  Top w0.25: D69.2 108.27,4.48 arc(108.77,4.58) 109.19,4.86 109.38,5.05 arc(109.66,5.47) 109.76,5.97 MX72.2
Net-(D70-Pad2): length 12.7
  Top w0.25: MX73.2 47.85,5.91 arc(47.75,5.41) 47.47,4.99 47.34,4.86 arc(46.92,4.58) 46.42,4.48 D70.2
Net-(D71-Pad2): length 14
  Top w0.25: 220.56,88.27 220.56,80.83 arc(220.49,80.45) 220.27,80.13 220.24,80.1 arc(219.91,79.88) 219.53,79.8 216.17,79.8 arc(215.79,79.88) 215.47,80.1 D71.2
Net-(D72-Pad2): length 13.7
  Top w0.25: 220.56,69.22 220.56,62.9 arc(220.49,62.52) 220.27,62.2 218.67,60.6 arc(218.35,60.38) 217.96,60.3 216.62,60.3 arc(216.24,60.38) 215.92,60.6 D72.2
Net-(D73-Pad2): length 13.8
  Top w0.25: 220.56,50.17 220.6,50.14 220.6,43.88 arc(220.52,43.5) 220.3,43.18 218.67,41.55 arc(218.35,41.33) 217.96,41.25 216.62,41.25 arc(216.24,41.33) 215.92,41.55 D73.2
Net-(R1-Pad2): length 13.2
  Top w0.25: U2.18 194.92,38.76 arc(195.3,38.69) 195.63,38.47 196.05,38.05 arc(196.26,37.72) 196.34,37.34 196.34,31.06 arc(196.41,30.67) 196.63,30.35 198.47,28.51 R1.2

## Copper pours and planes (outline as drawn; the poured copper is in the pictures)
GND on Top: 167.7,0 -1.36,0 -1.36,102.4 167.7,102.4
GND on Bottom: 167.7,0 -1.36,0 -1.36,102.4 167.7,102.4
VSS on Top: 387.92,-1.27 189.17,-1.27 189.17,102.36 387.92,102.36
VSS on Bottom: 387.92,-1.27 189.17,-1.27 189.17,102.36 387.92,102.36

## Text on the board
B.Silkscreen: VDD | SDA1 | SCL1 | VSS | Encoder | MCP23017
User.Comments: Fillet diodes = 1.3 / Fillet rows = 2
Top: 1u | 1.25u | 1.5u | 1.75u | 2u | 2.25u | 2.75u
F.Mask: 1u | 1.25u | 1.5u | 1.75u | 2u | 2.25u | 2.75u
F.Silkscreen: Reset
